# Altium PCB Board_EP1C6T144I8N.PcbDoc (part 1 of 2)
Units mm, origin at the board's own origin, x right, y up, seen from the top; angles counter-clockwise.
Board outline 69 x 86 mm, 2 copper layers (Top Layer, Bottom Layer), stack 1.569 mm thick; 125 components, 148 nets, 604 pads, 255 vias.
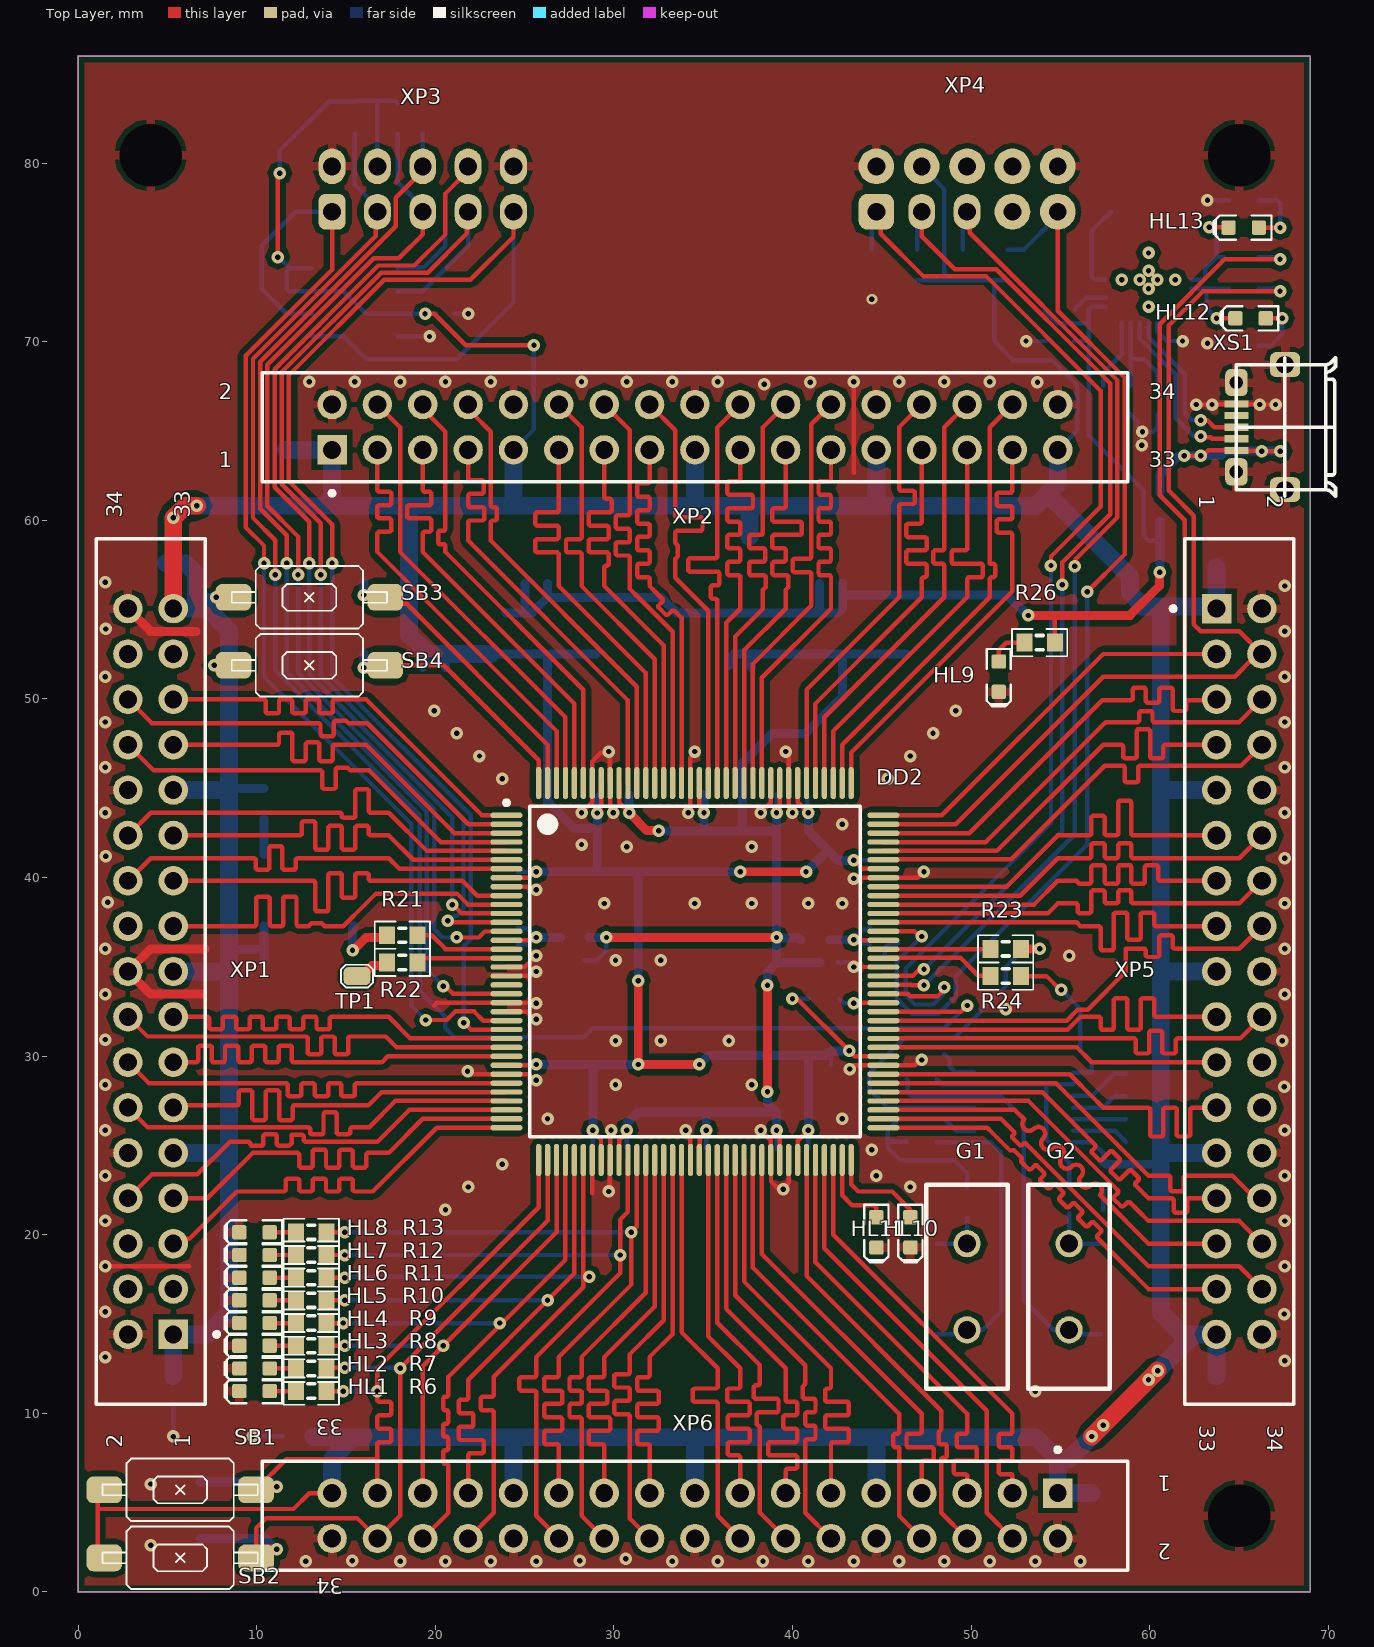
[diagram p0: Top Layer view]
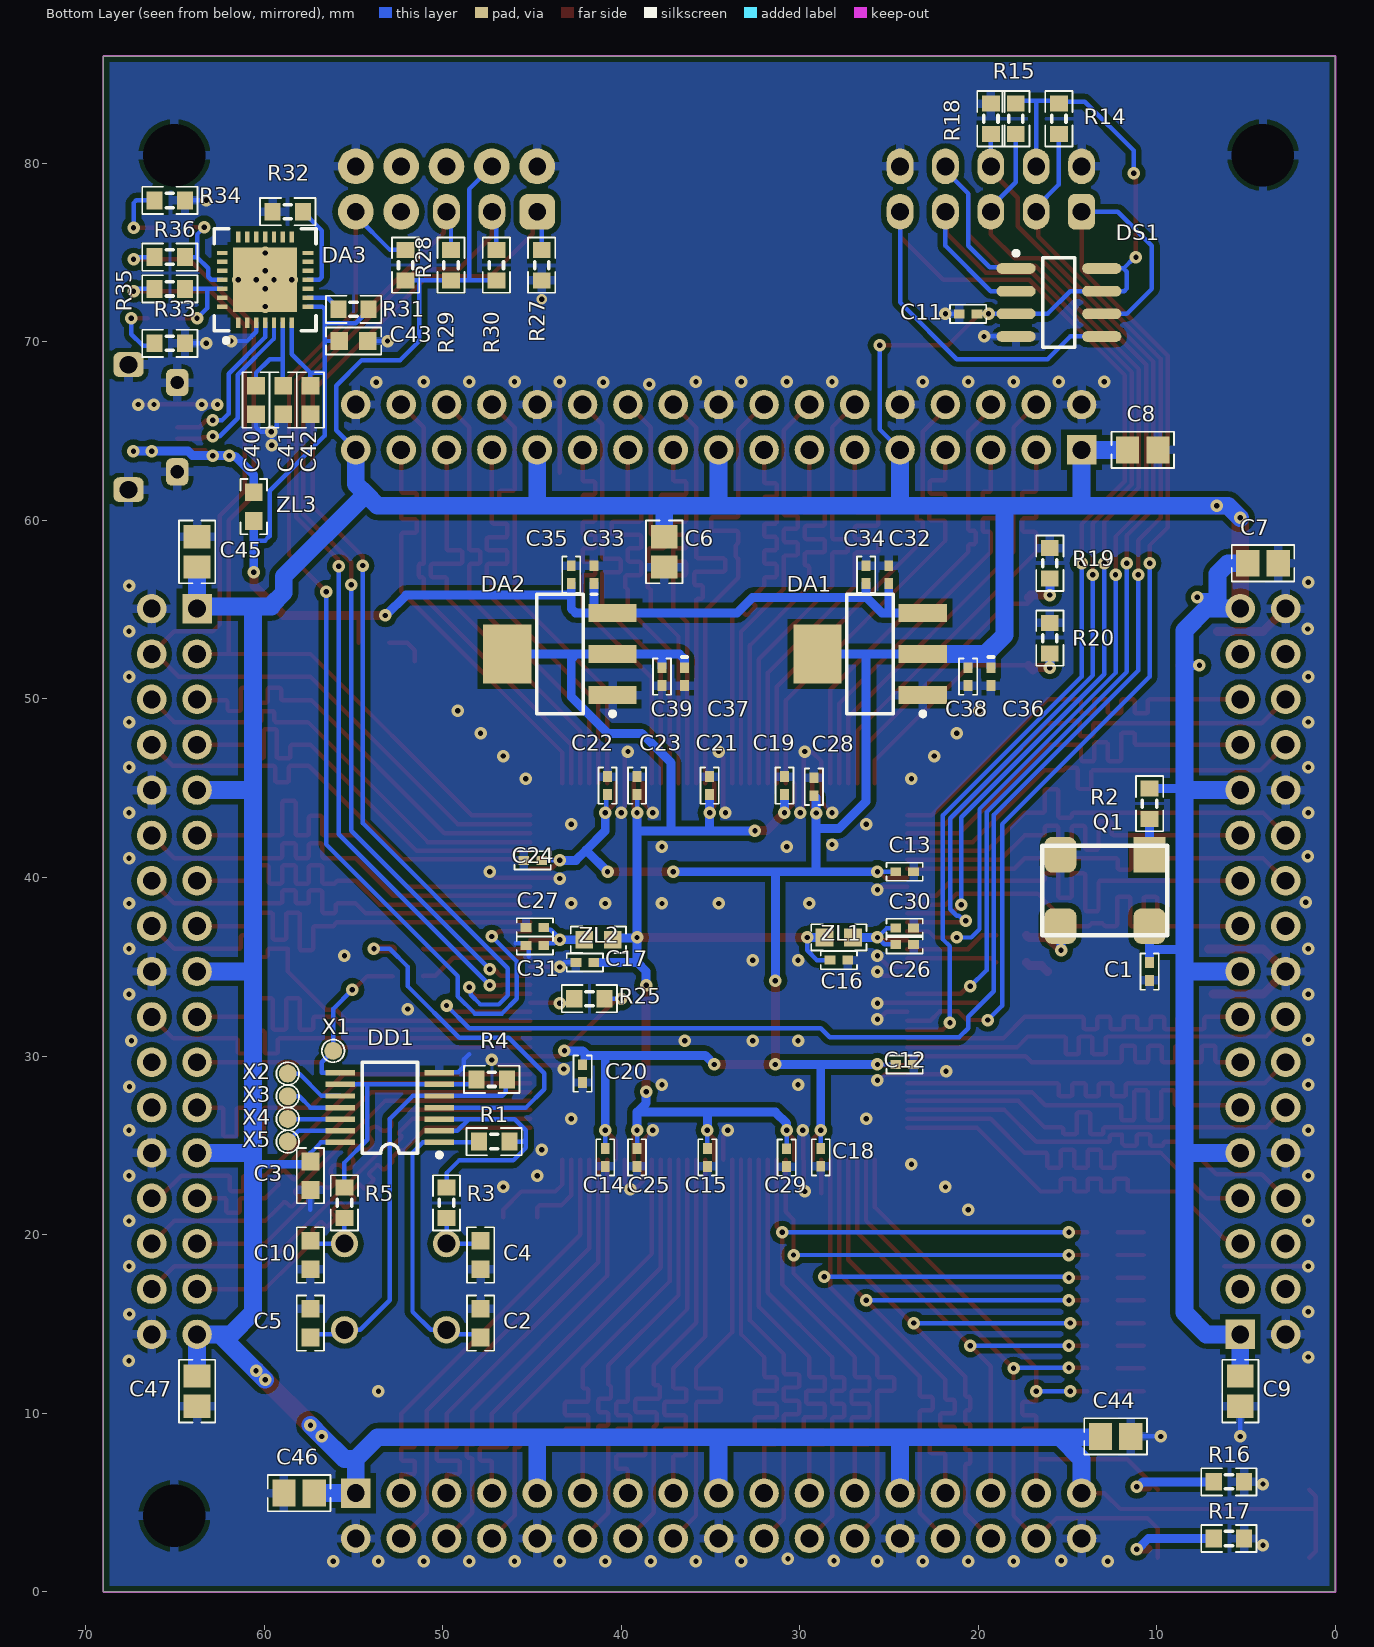
[diagram p1: Bottom Layer view, seen from below]
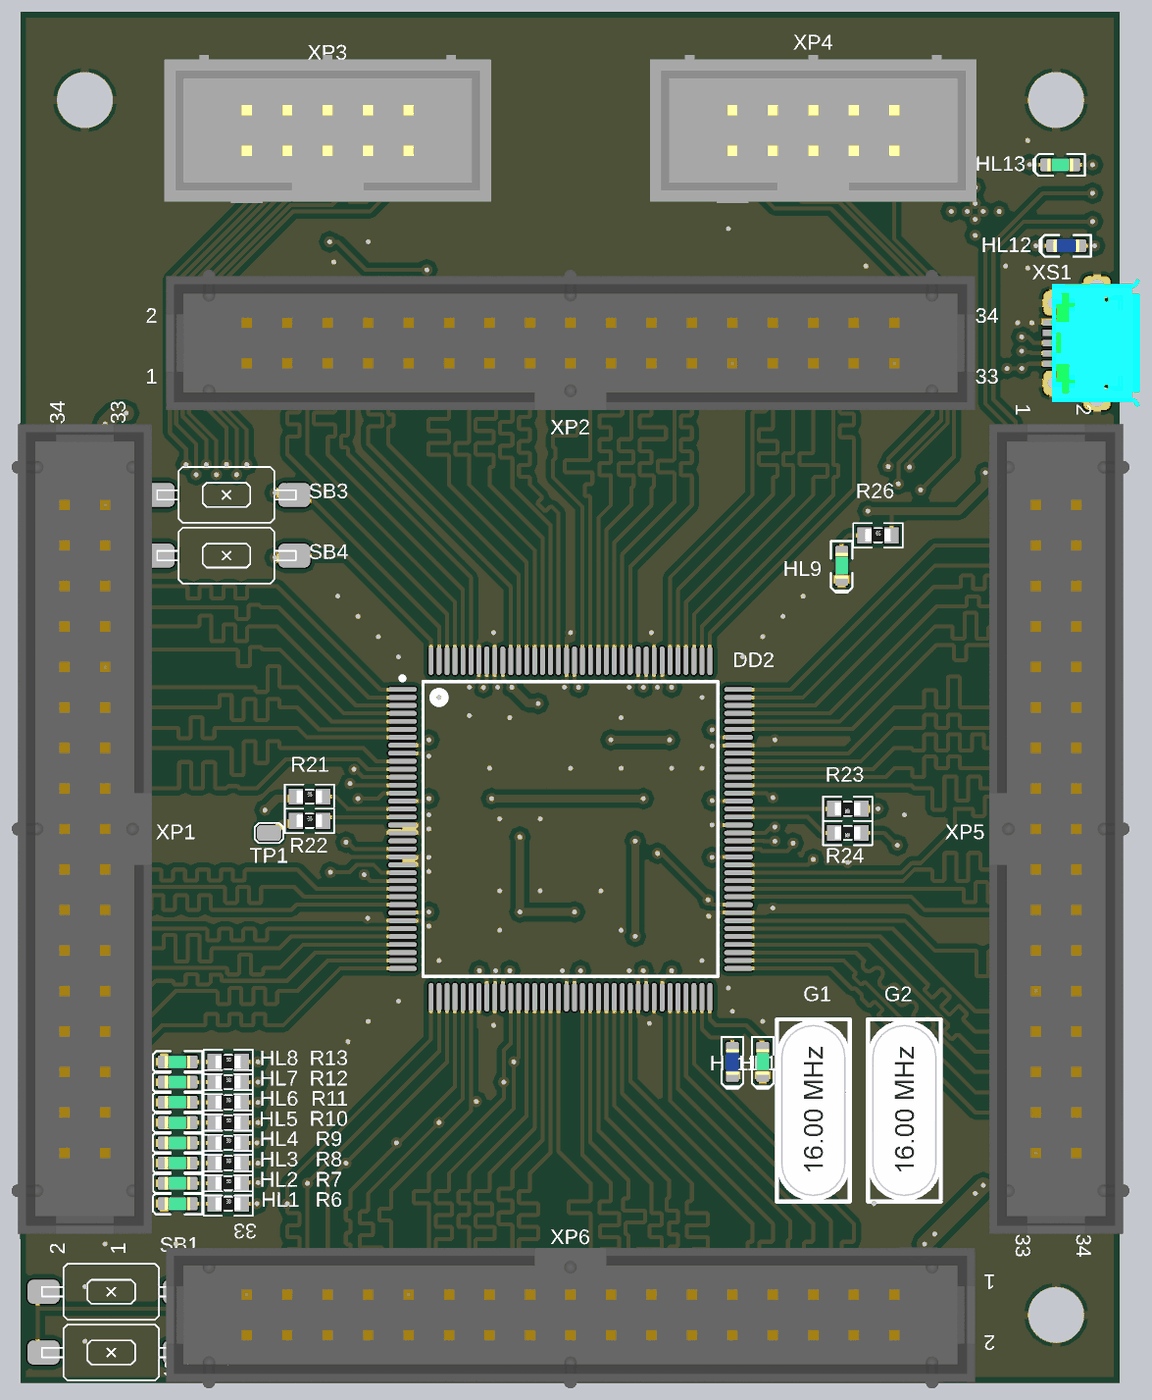
[diagram p3: 3D render of the assembled board from above, using the file's embedded part models]
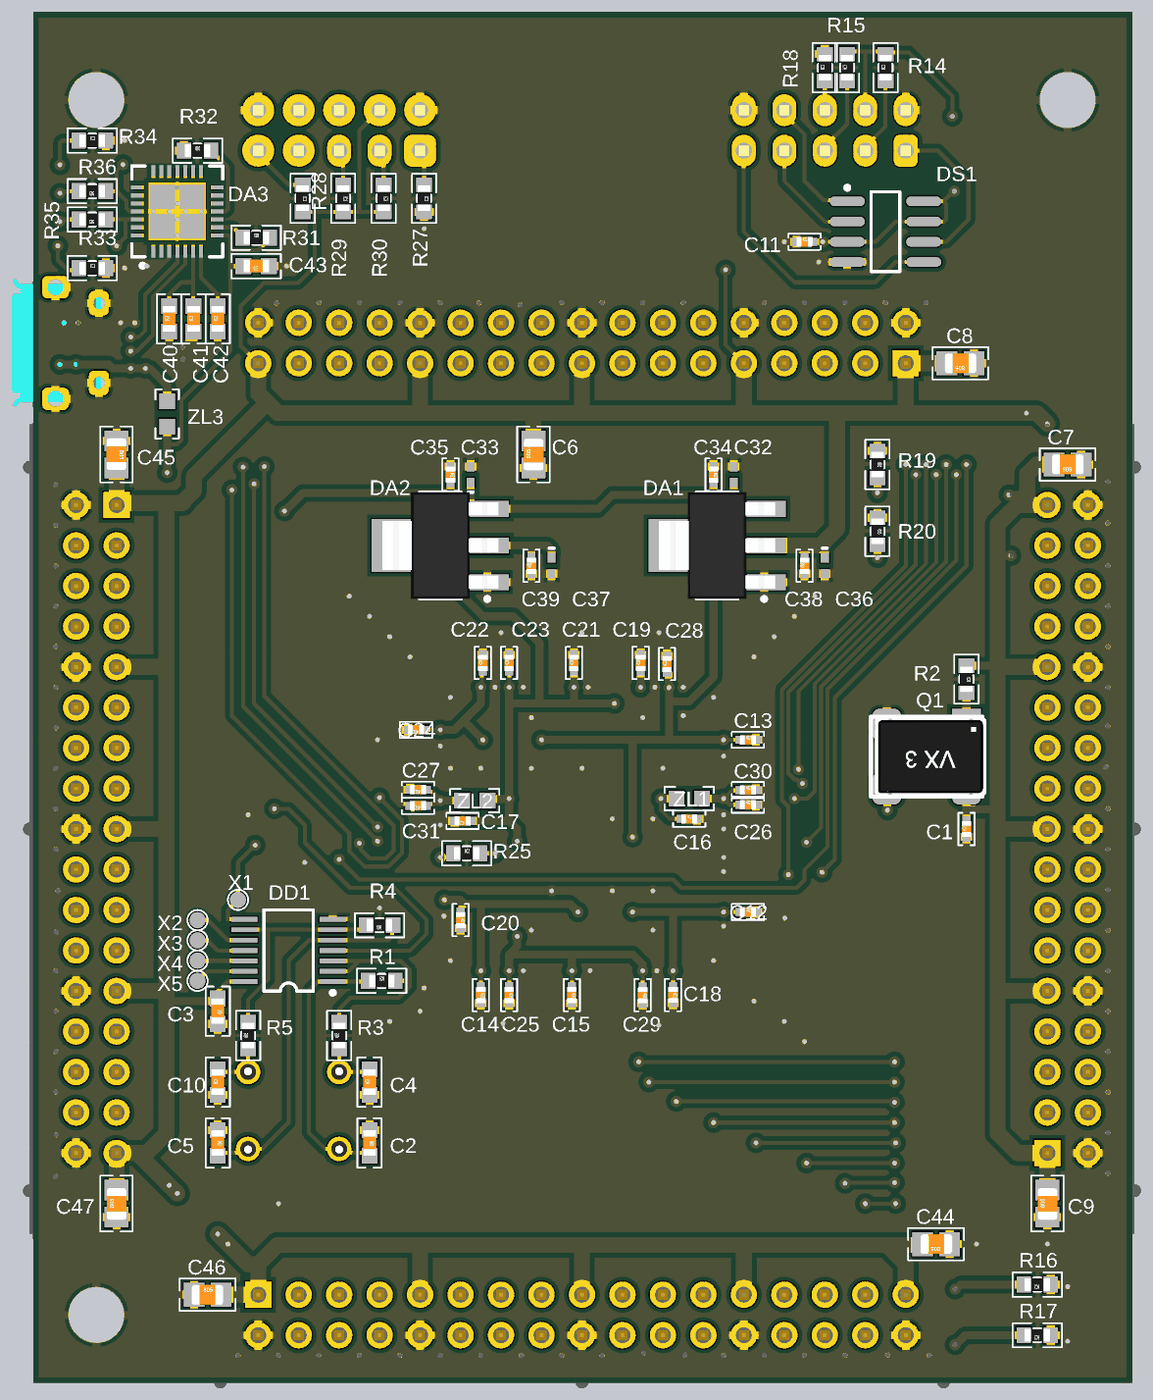
[diagram p4: 3D render of the assembled board from below, using the file's embedded part models]

## Layer stack, top to bottom
Top Solder: solder mask 0.0254, SM-001, Dk 4
Top Layer: signal copper 0.035
Dielectric 1: core 1.4986, Core-043, Dk 4.3
Bottom Layer: signal copper 0.035
Bottom Solder: solder mask 0.0254, SM-001, Dk 4

## Board outline
0,86 69,86 69,0 0,0

## Design rules (kind name [scope] priority, off if disabled: settings)
Clearance InPolygon [InPolygon] p1: gap=0.3 ignorepadtopadclearanceinfootprint=FALSE
Clearance [All] p2: gap=0.15 ignorepadtopadclearanceinfootprint=FALSE except(0: Arc-Hole Track-Hole SMDPad-Hole THPad-Hole Via-Hole Fill-Hole Poly-Hole Region-Hole Text-Hole)
MatchedLengths [InNetClass('same length')] p1: tolerance=1 checknetsindiffpair=FALSE checkdiffpairvsdiffpair=TRUE checkxsignals=TRUE checkothers=TRUE
PlaneConnect [All] p1: pad.planeconnectstyle=Relief pad.reliefexpansion=0.508 pad.reliefentries=4 pad.reliefconductorwidth=0.5 pad.reliefairgap=0.5 via.planeconnectstyle=Direct via.reliefexpansion=0.508 via.reliefentries=4 via.reliefconductorwidth=0.254 via.reliefairgap=0.254
PolygonConnect [All] p1: thpad.connectstyle=Relief thpad.reliefconductorwidth=0.5 thpad.reliefentries=4 thpad.polygonreliefangle="90 Angle" thpad.airgapwidth=0.25 smdpad.connectstyle=Relief smdpad.reliefconductorwidth=0.5 smdpad.reliefentries=4 smdpad.polygonreliefangle="90 Angle" smdpad.airgapwidth=0.25 via.connectstyle=Direct via.reliefconductorwidth=0.254 via.reliefentries=4 via.polygonreliefangle="90 Angle" via.airgapwidth=0.254
RoutingVias [All] p1: holewidth=0.5 width=0.8 viastyle="Through Hole" minholewidth=0.3 minwidth=0.6 maxholewidth=0.7 maxwidth=1
SolderMaskExpansion [All] p1: expansion=0.102 istentingtop=FALSE
Width [All] p1: maxlimit=1 minlimit=0.25 preferedwidth=0.5
29 further rules are at their usual default settings.

## Components (designator, comment, footprint, x,y, rotation, side; value= is the part's Value field where it differs from the comment)
C1 "0.1uF" CapKemet1005(0402) 10.41,34.74 r90 bottom
C2 "18p" CAPC1608(0603)N 47.875,15.055 r270 bottom
C3 "100n" CAPC1608(0603)N 57.4,23.31 r270 bottom
C4 "18p" CAPC1608(0603)N 47.875,18.865 r90 bottom
C5 "18p" CAPC1608(0603)N 57.4,15.055 r270 bottom
C6 "47u 6.3V 0805" CAPC2012(0805)N 37.588,58.235 r90 bottom
C7 "47u 6.3V 0805" CAPC2012(0805)N 4.06,57.6 r0 bottom
C8 "47u 6.3V 0805" CAPC2012(0805)N 10.791,63.95 r0 bottom
C9 "47u 6.3V 0805" CAPC2012(0805)N 5.33,11.245 r90 bottom
C10 "18p" CAPC1608(0603)N 57.4,18.865 r90 bottom
C11 "100n" CapKemet1005(0402) 20.57,71.57 r180 bottom
C12 "100n" CapKemet1005(0402) 24.126,29.533 r180 bottom
C13 "100n" CapKemet1005(0402) 24.126,40.328 r180 bottom
C14 "100n" CapKemet1005(0402) 40.89,24.326 r270 bottom
C15 "100n" CapKemet1005(0402) 35.175,24.326 r270 bottom
C16 "100n" CapKemet1005(0402) 27.809,35.375 r180 bottom
C17 "100n" CapKemet1005(0402) 42.033,35.248 r0 bottom
C18 "100n" CapKemet1005(0402) 28.825,24.334 r270 bottom
C19 "100n" CapKemet1005(0402) 30.857,45.154 r90 bottom
C20 "100n" CapKemet1005(0402) 42.16,29.025 r270 bottom
C21 "100n" CapKemet1005(0402) 35.048,45.154 r90 bottom
C22 "100n" CapKemet1005(0402) 40.763,45.154 r90 bottom
C23 "100n" CapKemet1005(0402) 39.112,45.154 r90 bottom
C24 "100n" CapKemet1005(0402) 44.954,40.963 r0 bottom
C25 "100n" CapKemet1005(0402) 39.112,24.326 r270 bottom
C26 "100n" CapKemet1005(0402) 24.126,36.264 r180 bottom
C27 "100n" CapKemet1005(0402) 44.831,37.211 r0 bottom
C28 "100n" CapKemet1005(0402) 29.21,45.085 r90 bottom
C29 "100n" CapKemet1005(0402) 30.73,24.318 r270 bottom
C30 "1n" CapKemet1005(0402) 24.126,37.181 r180 bottom
C31 "1n" CapKemet1005(0402) 44.831,36.195 r0 bottom
C32 "10uF" 0402-A 25.015,56.965 r90 bottom
C33 "10uF" 0402-A 41.525,56.965 r90 bottom
C34 "100n" CapKemet1005(0402) 26.285,56.965 r270 bottom
C35 "100n" CapKemet1005(0402) 42.795,56.965 r270 bottom
C36 "10uF" 0402-A 19.3,51.25 r270 bottom
C37 "10uF" 0402-A 36.445,51.25 r270 bottom
C38 "100n" CapKemet1005(0402) 20.57,51.25 r90 bottom
C39 "100n" CapKemet1005(0402) 37.715,51.25 r90 bottom
C40 "100n" CAPC1608(0603)N 60.448,66.744 r90 bottom
C41 "100n" CAPC1608(0603)N 58.924,66.744 r90 bottom
C42 "100n" CAPC1608(0603)N 57.4,66.744 r90 bottom
C43 "100n" CAPC1608(0603)N 54.987,70.046 r0 bottom
C44 "47u 6.3V 0805" CAPC2012(0805)N 12.315,8.705 r0 bottom
C45 "47u 6.3V 0805" CAPC2012(0805)N 63.75,58.235 r270 bottom
C46 "47u 6.3V 0805" CAPC2012(0805)N 58.035,5.53 r180 bottom
C47 "47u 6.3V 0805" CAPC2012(0805)N 63.75,11.245 r90 bottom
DA1 "LD1117S33T" SOT223_M 26.06,52.52 r0 bottom
DA2 "LD1117S33T" SOT223_M 43.43,52.52 r0 bottom
DA3 "CP2102" QFN28 59.94,73.475 r90 bottom
DD1 "SN74HC14PWR" TSSOP14 52.955,27.12 r90 bottom
DD2 "EP1C6T144I8N" TQFP144_N 34.54,34.74 r0 top locked
DS1 "EPCS1SI8N" SO8_N 15.49,72.205 r180 bottom
G1 "Crystal" HC-49/S 49.78,14.674 r90 top
G2 "Crystal" HC-49/S 55.495,14.674 r90 top
HL1 "LED" LED-0603-GREEN 9.88,11.245 r180 top
HL2 "LED" LED-0603-GREEN 9.88,12.515 r180 top
HL3 "LED" LED-0603-GREEN 9.88,13.785 r180 top
HL4 "LED" LED-0603-GREEN 9.88,15.055 r180 top
HL5 "LED" LED-0603-GREEN 9.88,16.325 r180 top
HL6 "LED" LED-0603-GREEN 9.88,17.595 r180 top
HL7 "LED" LED-0603-GREEN 9.88,18.865 r180 top
HL8 "LED" LED-0603-GREEN 9.88,20.135 r180 top
HL9 "LED" LED-0603-GREEN 51.558,51.25 r270 top
HL10 "LED" LED-0603-GREEN 46.605,20.135 r270 top
HL11 "LED" LED-0603-BLUE 44.7,20.135 r270 top
HL12 "LED" LED-0603-BLUE 65.655,71.316 r180 top
HL13 "LED" LED-0603-GREEN 65.274,76.396 r180 top
Q1 "SG-8002JF- 100MHz" SG-8002JF 10.41,41.28 r0 bottom
R1 "1M" RESC1608(0603)N 47.113,25.215 r180 bottom
R2 "10k" RESC1608(0603)N 10.41,44.138 r270 bottom
R3 "200" RESC1608(0603)N 49.78,21.786 r90 bottom
R4 "1M" RESC1608(0603)N 47.244,28.702 r0 bottom
R5 "200" RESC1608(0603)N 55.495,21.786 r90 bottom
R6 "520" RESC1608(0603)N 13.055,11.245 r0 top
R7 "520" RESC1608(0603)N 13.055,12.515 r0 top
R8 "520" RESC1608(0603)N 13.055,13.785 r0 top
R9 "520" RESC1608(0603)N 13.055,15.055 r0 top
R10 "520" RESC1608(0603)N 13.055,16.325 r0 top
R11 "520" RESC1608(0603)N 13.055,17.595 r0 top
R12 "520" RESC1608(0603)N 13.055,18.865 r0 top
R13 "520" RESC1608(0603)N 13.055,20.135 r0 top
R14 "10k" RESC1608(0603)N 15.49,82.492 r90 bottom
R15 "10k" RESC1608(0603)N 17.903,82.492 r90 bottom
R16 "10k" RESC1608(0603)N 5.965,6.165 r0 bottom
R17 "10k" RESC1608(0603)N 5.965,2.99 r0 bottom
R18 "10k" RESC1608(0603)N 19.3,82.492 r90 bottom
R19 "10k" RESC1608(0603)N 15.998,57.6 r270 bottom
R20 "10k" RESC1608(0603)N 15.998,53.409 r270 bottom
R21 "0" RESC1608(0603)N 18.157,36.772 r0 top
R22 "0" RESC1608(0603)N 18.157,35.248 r0 top
R23 "0" RESC1608(0603)N 51.939,36.01 r180 top
R24 "0" RESC1608(0603)N 51.939,34.486 r180 top
R25 "10k" RESC1608(0603)N 41.779,33.216 r180 bottom
R26 "RESC1608(0603)" RESC1608(0603)N 53.844,53.155 r0 top
R27 "10k" RESC1608(0603)N 44.45,74.295 r270 bottom
R28 "10k" RESC1608(0603)N 52.07,74.295 r270 bottom
R29 "10k" RESC1608(0603)N 49.53,74.295 r270 bottom
R30 "10k" RESC1608(0603)N 46.99,74.295 r270 bottom
R31 "RESC1608(0603)" RESC1608(0603)N 54.987,71.824 r180 bottom
R32 "RESC1608(0603)" RESC1608(0603)N 58.67,77.285 r180 bottom
R33 "RESC1608(0603)" RESC1608(0603)N 65.274,69.919 r180 bottom
R34 "RESC1608(0603)" RESC1608(0603)N 65.274,77.92 r180 bottom
R35 "0" RESC1608(0603)N 65.274,72.967 r0 bottom
R36 "0" RESC1608(0603)N 65.274,74.745 r0 bottom
SB1 "PTS636 SM43 SMTR LFS" "PTS636 SM43 SMTR LFS" 5.715,5.715 r0 top
SB2 "PTS636 SM43 SMTR LFS" "PTS636 SM43 SMTR LFS" 5.715,1.905 r0 top
SB3 "PTS636 SM43 SMTR LFS" "PTS636 SM43 SMTR LFS" 12.95,55.695 r0 top
SB4 "PTS636 SM43 SMTR LFS" "PTS636 SM43 SMTR LFS" 12.95,51.885 r0 top
TP1 "TP(No BOM)" 1.27-1-TOP-RR 15.617,34.486 r90 top
X1 "PLLS1.27-1-TOP-R" PLLS1.27-1-TOP-R 56.13,30.295 r180 bottom
X2 "PLLS1.27-1-TOP-R" PLLS1.27-1-TOP-R 58.67,29.025 r180 bottom
X3 "PLLS1.27-1-TOP-R" PLLS1.27-1-TOP-R 58.67,27.755 r180 bottom
X4 "PLLS1.27-1-TOP-R" PLLS1.27-1-TOP-R 58.67,26.485 r180 bottom
X5 "PLLS1.27-1-TOP-R" PLLS1.27-1-TOP-R 58.67,25.215 r180 bottom
XP1 "IDC2.54-V34-TE" IDC2.54-V34-TE 4.06,34.74 r90 top locked
XP2 "IDC2.54-V34-TE" IDC2.54-V34-TE 34.54,65.22 r0 top locked
XP3 "XS-10" BH-10#1 14.22,77.285 r0 top locked
XP4 "XS-10" BH-10#2 44.7,77.285 r0 top locked
XP5 "IDC2.54-V34-TE" IDC2.54-V34-TE 65.02,34.74 r270 top locked
XP6 "IDC2.54-V34-TE" IDC2.54-V34-TE 34.54,4.26 r180 top locked
XS1 "MICRO_USB _B" "MICRO_USB _B" 67.56,65.22 r90 top locked
ZL1 "Ferite1608(0603)" INDC1608(0603)N 27.809,36.645 r180 bottom
ZL2 "Ferite1608(0603)" INDC1608(0603)N 41.271,36.518 r0 bottom
ZL3 "Ferite1608(0603)" INDC1608(0603)N 60.575,60.775 r270 bottom

## Footprints (in the part's own frame and the unit in brackets; to place one, negate y for a bottom-side part, rotate by r counter-clockwise, add the part's x,y. Pads: shape width x height; smd on the part's side, far side on the other; paste and mask are expansions set on the pad)
1.27-1-TOP-RR [mm] "1.27mm pin header connector with 2mm body height. 4..80 pins"
  rrect50% 1x1.5 smd: 1(0,0)
  silkscreen extent -0.64,-0.89 0.64,0.89
0402-A [mm] "Chip Inductor, Body 1.0x0.5mm, IPC High Density"
  rect 0.6x0.5 smd: 1(-0.5,0) 2(0.5,0)
  silkscreen extent -1.1,-0.15 -1.1,0.15, body extent -0.55,-0.3 0.55,0.3, height 0.55
BH-10#1 [mm]
  rrect50% 1.5x2 hole 1: 1(0,0)
  oval 1.5x2 hole 1: 2(0,2.54) 3(2.54,0) 4(2.54,2.54) 5(5.08,0) 6(5.08,2.54) 7(7.62,0) 8(7.62,2.54) 9(10.16,0) 10(10.16,2.54)
  body extent -5.17,-3.28 15.33,6.02, height 9.1
BH-10#2 [mm]
  rrect50% 2x2 hole 1: 1(0,0)
  round 2 hole 1: 2(0,2.54) 4(2.54,2.54) 6(5.08,2.54) 7(7.62,0) 8(7.62,2.54) 9(10.16,0) 10(10.16,2.54)
  oval 1.5x2 hole 1: 3(2.54,0) 5(5.08,0)
  body extent -5.17,-3.28 15.33,6.02, height 9.1
CAPC1608(0603)N [mm] "Chip Capacitor, Body 1.6x0.8mm, IPC Medium Density"
  rect 1x1 smd: 1(-0.8,0) 2(0.8,0)
  silkscreen extent -1.55,-0.76 1.55,0.76, body extent -0.8,-0.4 0.8,0.4, height 0.3
CAPC2012(0805)N [mm] "Chip Capacitor, Body 2.0x1.3mm, IPC Medium Density"
  rect 1.3x1.5 smd: 1(-0.85,0) 2(0.85,0)
  silkscreen extent -1.75,-1.02 1.75,1.02, body extent -1.02,-0.63 0.98,0.62, height 0.78
CapKemet1005(0402) [mm] "Chip Capacitor, Body 1.0x0.5mm, IPC High Density"
  rect 0.6x0.5 smd: 1(-0.5,0) 2(0.5,0)
  silkscreen extent -1.02,-0.51 1.02,0.51, body extent -0.5,-0.3 0.5,0.3, height 0.2
HC-49/S [mil]
  round 60 hole 39.37: 1(0,0) 2(190,0)
  silkscreen extent -130,-90 320,90, body extent -128,-92 318,92, height 142
IDC2.54-V34-TE [mm] "Connector; IDC, PCB Transition - 2 Rows, Thru-Hole; 34 Position; Vertical; Pitch 2.54 mm; Body 48.48 x 6.1 x 7.45 mm (LxWxH), Kinked Contacts"
  rect 1.65x1.65 hole 1: 1(-20.32,-1.27)
  round 1.65 hole 1: 2(-20.32,1.27) 3(-17.78,-1.27) 4(-17.78,1.27) 5(-15.24,-1.27) 6(-15.24,1.27) 7(-12.7,-1.27) 8(-12.7,1.27) 9(-10.16,-1.27) 10(-10.16,1.27) 11(-7.62,-1.27) 12(-7.62,1.27) 13(-5.08,-1.27) 14(-5.08,1.27) 15(-2.54,-1.27) 16(-2.54,1.27) 17(0,-1.27) 18(0,1.27) 19(2.54,-1.27) 20(2.54,1.27) 21(5.08,-1.27) 22(5.08,1.27) 23(7.62,-1.27) 24(7.62,1.27) 25(10.16,-1.27) 26(10.16,1.27) 27(12.7,-1.27) 28(12.7,1.27) 29(15.24,-1.27) 30(15.24,1.27) 31(17.78,-1.27) 32(17.78,1.27) 33(20.32,-1.27) 34(20.32,1.27)
  silkscreen extent -24.24,-3.83 24.24,3.05, body extent -25.39,-4.25 25.39,4.6, height 9.43
INDC1608(0603)N [mm] "Chip Inductor, Body 1.6x0.8mm, IPC Medium Density"
  rect 1x1 smd: 1(-0.8,0) 2(0.8,0)
  silkscreen extent -1.55,-0.74 1.55,0.74, body extent -0.87,-0.48 0.87,0.48, height 0.71
LED-0603-BLUE [mm]
  round 0.254 on Mech15: 0(0,0)
  rrect25% 0.8x0.8 smd: A(-0.85,0) K(0.85,0)
  Top Layer pour cut-out: -0.5,0.5 0.5,0.5 0.5,-0.5 -0.5,-0.5
  silkscreen extent -1.55,-0.67 1.68,0.67, body extent -0.8,-0.4 0.8,0.4, height 0.75
LED-0603-GREEN [mm]
  round 0.254 on Mech15: 0(0,0)
  rrect25% 0.8x0.8 smd: A(-0.85,0) K(0.85,0)
  Top Layer pour cut-out: -0.5,0.5 0.5,0.5 0.5,-0.5 -0.5,-0.5
  silkscreen extent -1.55,-0.67 1.68,0.67, body extent -0.8,-0.4 0.8,0.4, height 0.75
"MICRO_USB _B" [mm]
  rect 0.4x1.35 smd: 1(-1.3,2.7) 2(-0.65,2.7) 3(0,2.7) 4(0.65,2.7) 5(1.3,2.7)
  rrect50% 1.4x1.7 hole 1: 6(-3.5,-0.025) 6(3.5,-0.025)
  rrect50% 1.524x1.25 hole 0.75: 6(-2.5,2.7) 6(2.5,2.7)
  silkscreen extent -3.88,-2.85 3.88,2.7, body extent -4.02,-2.73 4.02,2.85, height 2.63
PLLS1.27-1-TOP-R [mm]
  round 1 smd: 1(0,0)
  silkscreen extent -0.64,-0.63 0.63,0.63
"PTS636 SM43 SMTR LFS" [mm]
  rrect50% 2x1.5 smd: 1(-4.25,0) 2(4.25,0)
  silkscreen extent -4.35,-1.75 4.35,1.75
QFN28 [mm] "QFN, 28-Leads, Body 5x5mm, Pitch 0.5mm, NSC Recommended"
  rect 0.6x0.25 smd paste-0.125 mask+0.051: 1(-2.4,1.5) 2(-2.4,1) 3(-2.4,0.5) 4(-2.4,0) 5(-2.4,-0.5) 6(-2.4,-1) 7(-2.4,-1.5) 15(2.4,-1.5) 16(2.4,-1) 17(2.4,-0.5) 18(2.4,0) 19(2.4,0.5) 20(2.4,1) 21(2.4,1.5)
  rect 0.25x0.6 smd paste-0.125 mask+0.051: 8(-1.5,-2.4) 9(-1,-2.4) 10(-0.5,-2.4) 11(0,-2.4) 12(0.5,-2.4) 13(1,-2.4) 14(1.5,-2.4) 22(1.5,2.4) 23(1,2.4) 24(0.5,2.4) 25(0,2.4) 26(-0.5,2.4) 27(-1,2.4) 28(-1.5,2.4)
  rect 3.6x3.6 smd paste-1.8 mask+0.051: 29(0,0)
  silkscreen extent -3.52,-2.85 2.85,2.85, body extent -2.55,-2.55 2.55,2.55, height 1
RESC1608(0603)N [mm] "Chip Resistor, Body 1.6x0.8mm, IPC Medium Density"
  rect 0.9x1 smd: 1(-0.85,0) 2(0.85,0)
  silkscreen extent -1.55,-0.76 1.55,0.76, body extent -0.8,-0.4 0.8,0.4, height 0.3
SG-8002JF [mm] "SOJ 4pin 7.1x5.1x1.5 mm"
  rect 1.8x2 smd: 1(0,0)
  rrect50% 1.8x2 smd: 2(5,0) 3(5,4) 4(0,4)
  silkscreen extent -1,-0.5 6,4.5, body extent -1.25,-0.5 5.75,4.5, height 1.6
SO8_N [mm] "SOIC, 8-Leads, Body 4.9x3.9mm, Pitch 1.27mm, IPC Medium Density"
  oval 2.2x0.6 smd: 1(-2.4,1.905) 2(-2.4,0.635) 3(-2.4,-0.635) 4(-2.4,-1.905) 5(2.4,-1.905) 6(2.4,-0.635) 7(2.4,0.635) 8(2.4,1.905)